# KiCad board Type 1 Termination Board DCS v2.kicad_pcb
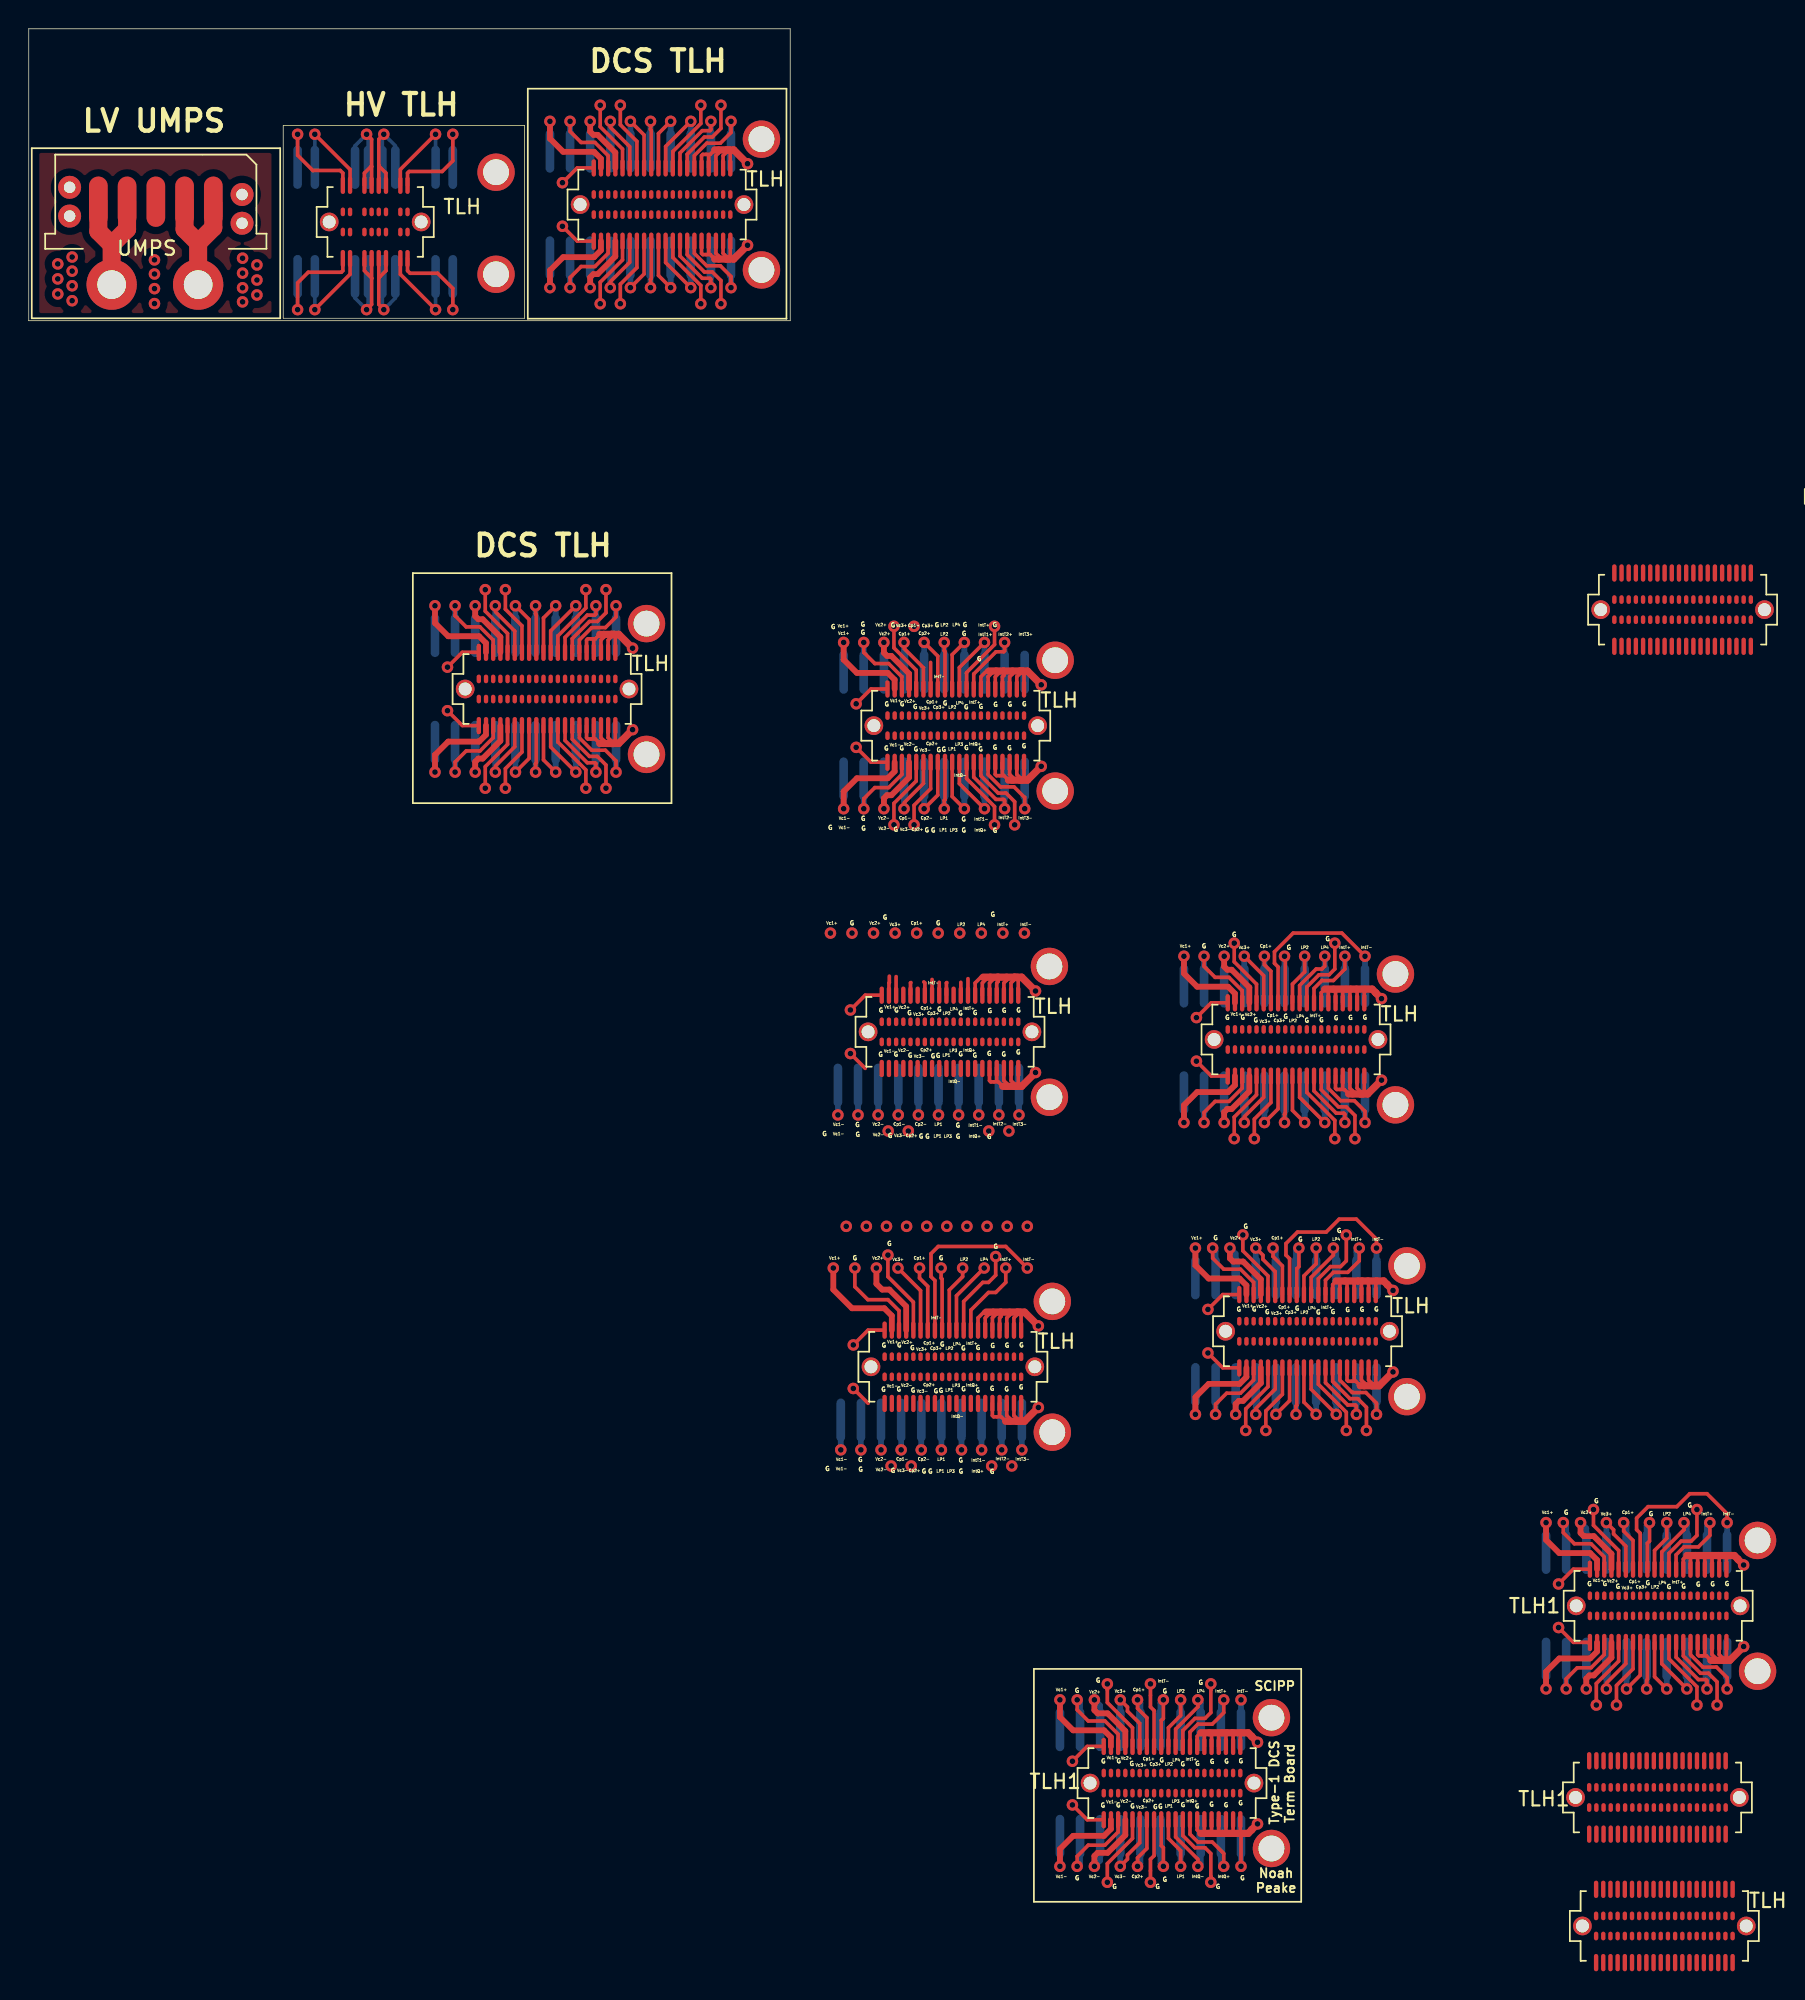
[diagram p0: board, top side]
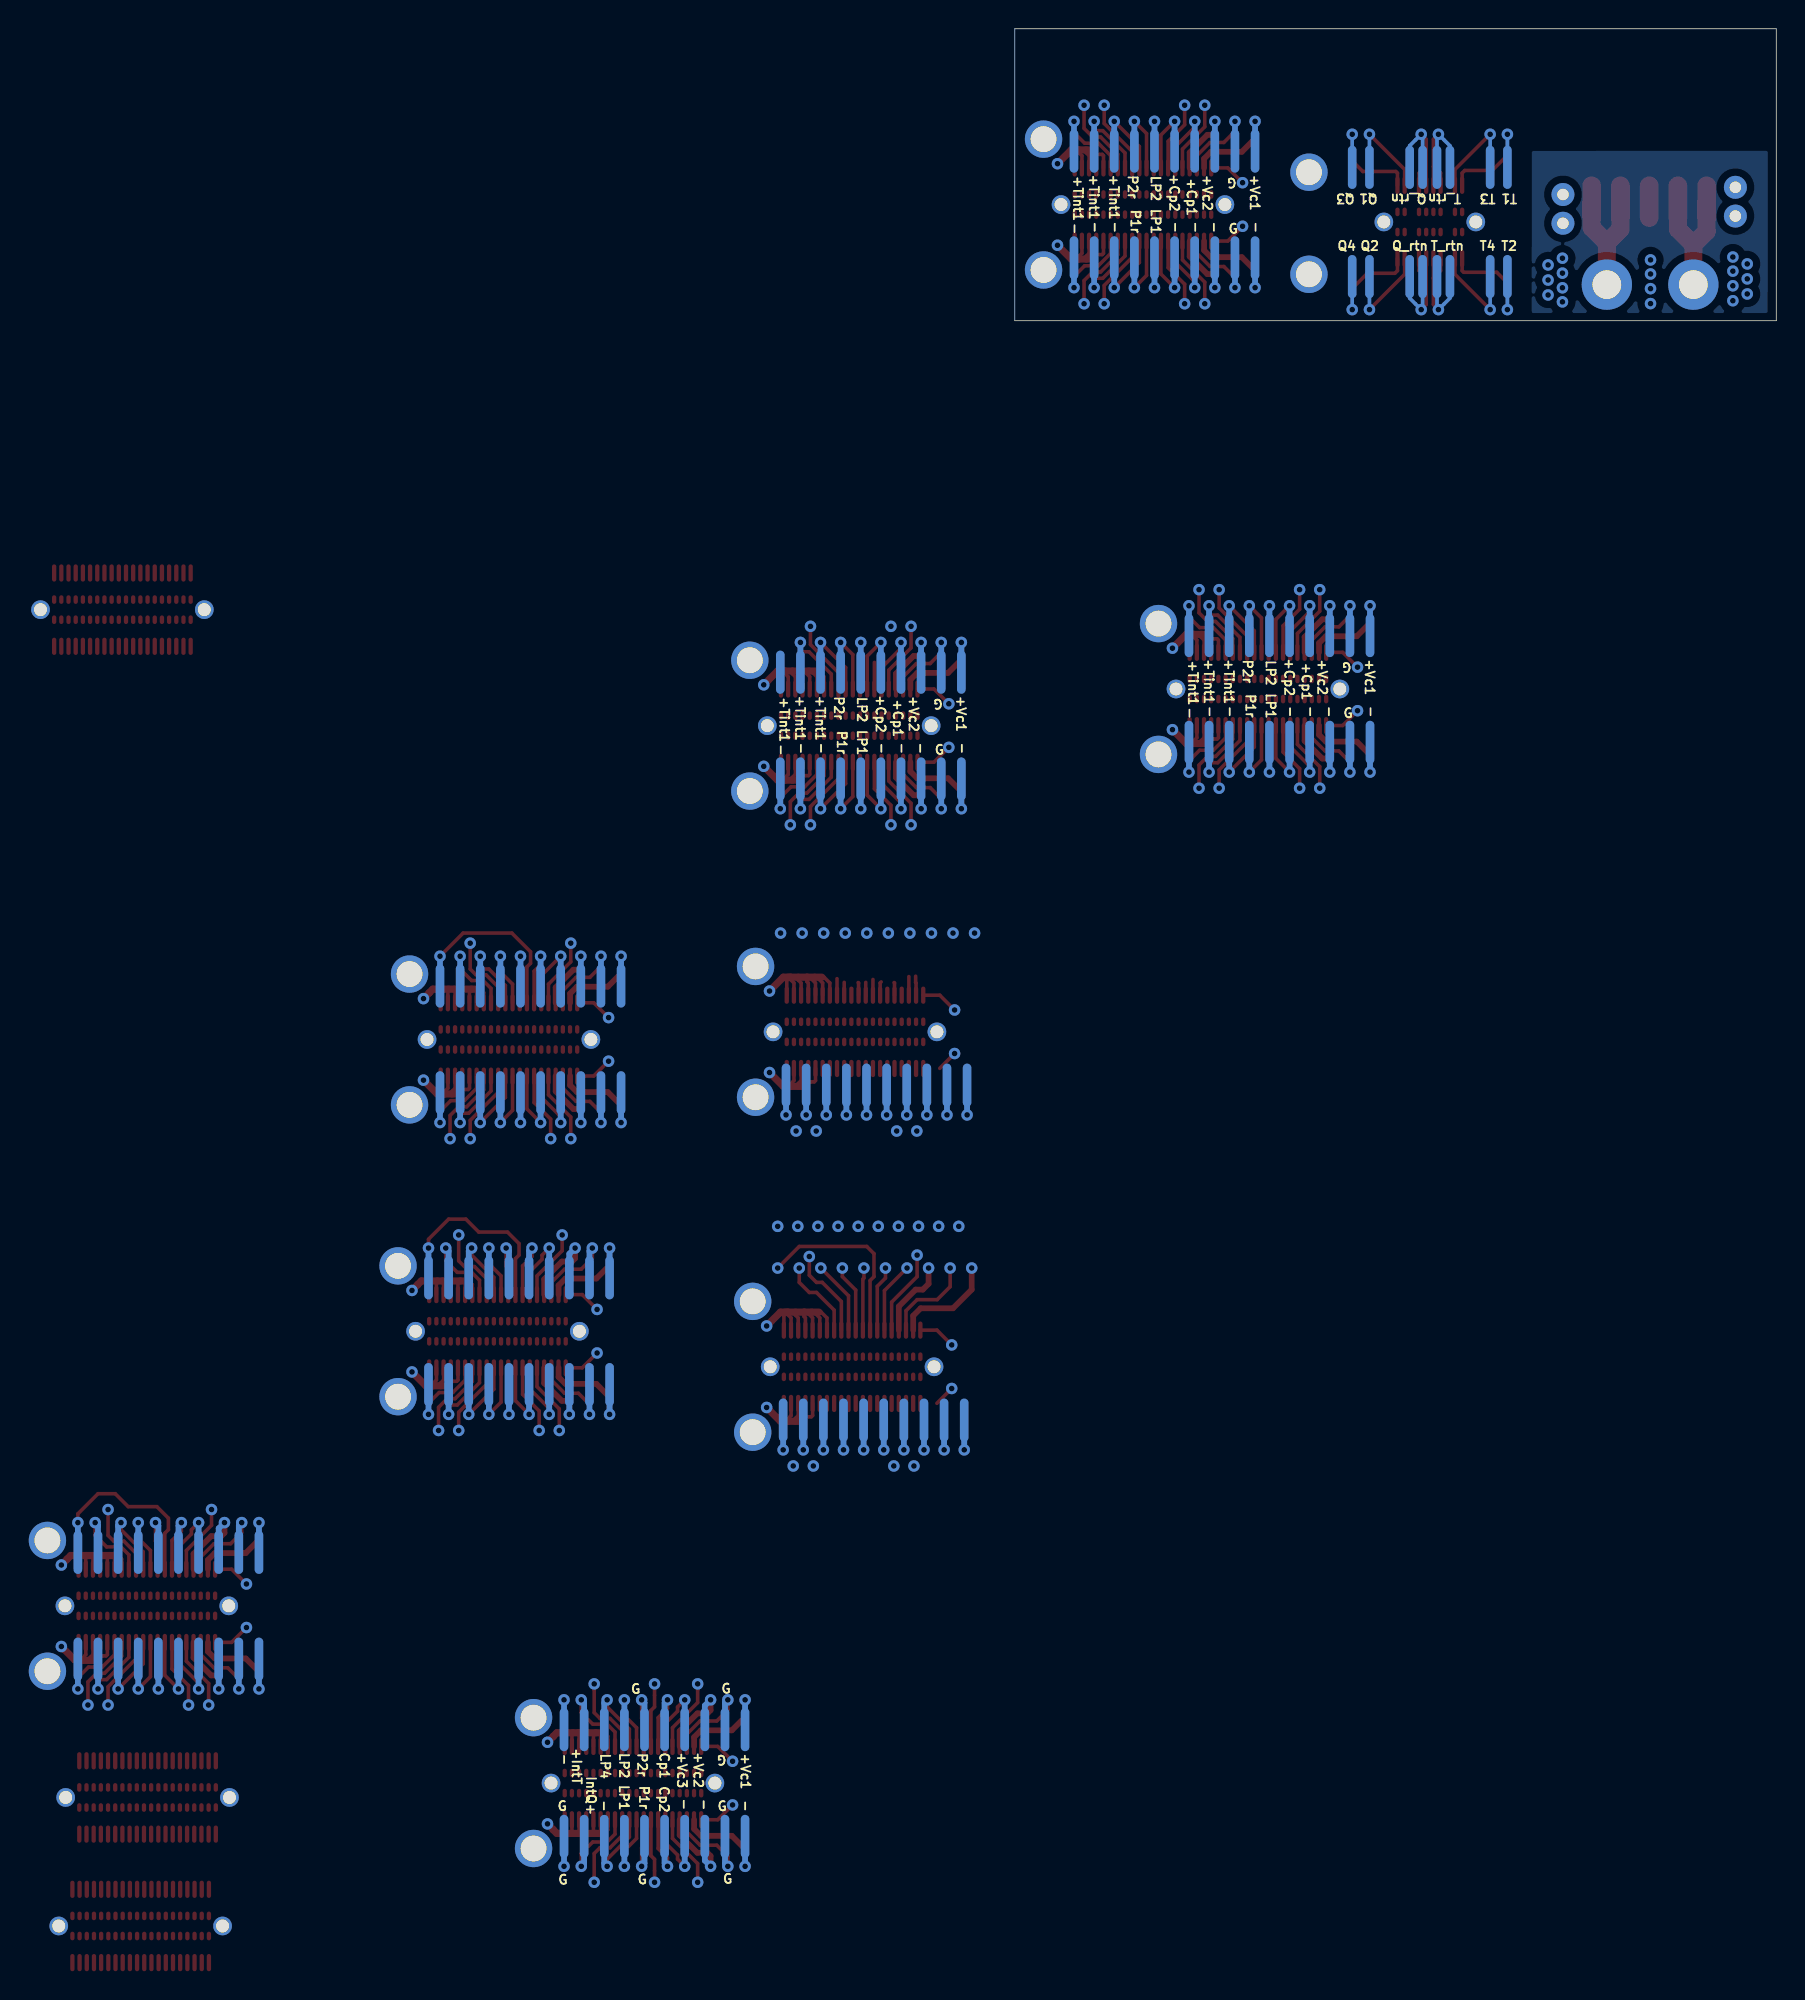
[diagram p1: board, bottom side, seen from below]

Outline 52.99 x 20.31 mm; copper layers: Top, In1.Cu, In2.Cu, Bottom. Coordinates in mm from the lower left corner of the outline.
Outline path: 0,0 0,20.31 52.99,20.31 52.99,0 0,0

## Placement (name value [footprint] x y rotation side)
J2  Conn_01x01_Female  [14AWG_THT]  5.75 -2.6 0 top
J3  Conn_01x01_Female  [14AWG_THT#2]  5.77 2.51 0 top
J10  UMPS  [UMPS 5 Pin]  8.83 8.28 180 top
J11  TLH  [19-1_TLH_HV]  24.11 6.87 0 top
J12  TLH  [TLH 20 Pin]  44.07 8.08 0 top
J12#2  TLH  [TLH 20 Pin]  36.07 -25.62 0 top
J12#3  TLH  [TLH 20 Pin]  64.51 -28.17 0 top
J12#4  TLH  [TLH 20 Pin]  64.11 -49.47 0 top
J12#5  TLH  [TLH 20 Pin]  64.31 -72.77 0 top
J12#6  TLH  [TLH 20 Pin]  88.19 -50 0 top
J12#7  TLH  [TLH 20 Pin]  88.99 -70.3 0 top
J12#8  TLH  [TLH 20 Pin]  113.82 -111.67 0 top
J20  -  [PEEK_screw]  32.52 10.33 90 top
J21  -  [PEEK_screw]  32.52 3.23 90 top
J22  PEEK_screw  [PEEK_screw#3]  50.99 12.63 90 top
J22#2  PEEK_screw  [PEEK_screw#3]  42.99 -21.07 90 top
J22#3  PEEK_screw  [PEEK_screw#3]  71.43 -23.62 90 top
J22#4  PEEK_screw  [PEEK_screw#3]  71.03 -44.92 90 top
J22#5  PEEK_screw  [PEEK_screw#3]  71.23 -68.22 90 top
J22#6  PEEK_screw  [PEEK_screw#3]  95.11 -45.45 90 top
J22#7  PEEK_screw  [PEEK_screw#3]  95.91 -65.75 90 top
J22#8  PEEK_screw  [PEEK_screw#3]  120.31 -84.85 90 top
J22#9  PEEK_screw  [PEEK_screw#3]  86.48 -97.18 90 top
J23  PEEK_screw  [PEEK_screw#2]  50.99 3.53 90 top
J23#2  PEEK_screw  [PEEK_screw#2]  42.99 -30.17 90 top
J23#3  PEEK_screw  [PEEK_screw#2]  71.43 -32.72 90 top
J23#4  PEEK_screw  [PEEK_screw#2]  71.03 -54.02 90 top
J23#5  PEEK_screw  [PEEK_screw#2]  71.23 -77.32 90 top
J23#6  PEEK_screw  [PEEK_screw#2]  95.11 -54.55 90 top
J23#7  PEEK_screw  [PEEK_screw#2]  95.91 -74.85 90 top
J23#8  PEEK_screw  [PEEK_screw#2]  120.31 -93.95 90 top
J23#9  PEEK_screw  [PEEK_screw#2]  86.48 -106.28 90 top
P1  Pad_Array_2  [Pad_Array_2#3]  41.67 4.37 0 bottom
P1#2  Pad_Array_2  [Pad_Array_2#3]  33.67 -29.33 0 bottom
P1#3  Pad_Array_2  [Pad_Array_2#3]  62.11 -31.88 0 bottom
P1#4  Pad_Array_2  [Pad_Array_2#3]  61.71 -53.18 0 bottom
P1#5  Pad_Array_2  [Pad_Array_2#3]  61.91 -76.48 0 bottom
P1#6  Pad_Array_2  [Pad_Array_2#3]  85.79 -53.71 0 bottom
P1#7  Pad_Array_2  [Pad_Array_2#3]  86.59 -74.01 0 bottom
P1#8  Pad_Array_2  [Pad_Array_2#3]  110.99 -93.11 0 bottom
P1#9  Pad_Array_2  [Pad_Array_2#3]  77.16 -105.44 0 bottom
P2  Pad_Array_2  [Pad_Array_2#4]  41.67 11.8 0 bottom
P2#2  Pad_Array_2  [Pad_Array_2#4]  33.67 -21.9 0 bottom
P2#3  Pad_Array_2  [Pad_Array_2#4]  62.11 -24.45 0 bottom
P2#4  Pad_Array_2  [Pad_Array_2#4]  85.79 -46.28 0 bottom
P2#5  Pad_Array_2  [Pad_Array_2#4]  86.59 -66.58 0 bottom
P2#6  Pad_Array_2  [Pad_Array_2#4]  110.99 -85.68 0 bottom
P2#7  Pad_Array_2  [Pad_Array_2#4]  77.16 -98.01 0 bottom
P3  -  [Pad_Array_2]  24.11 3.07 180 bottom
P4  Pad_Array_2  [Pad_Array_2#2]  24.11 10.67 0 bottom
REF**  -  [19-1_TLH_DCS]  115.09 -20.1 0 top
TLH1  Conn_01x40  [TLH 20 Pin]  113.39 -89.4 0 top
TLH1#2  Conn_01x40  [TLH 20 Pin]  113.34 -102.73 0 top
TLH1#3  Conn_02x20_Odd_Even  [TLH 20 Pin]  79.56 -101.73 0 top

## Footprints (pads in the part's own frame, mm; a bottom-side part is the same pattern mirrored in y, then rotated)
14AWG_THT
  round 3.5 hole 2: 1(6.04,5.11)
14AWG_THT#2
  round 3.5 hole 2: 1(0,0)
19-1_TLH_DCS
  oval 0.3x1.2 smd: 1(4.752,2.55) 2(4.252,2.55) 3(3.752,2.55) 4(3.252,2.55) 5(2.752,2.55) 6(2.252,2.55) 7(1.752,2.55) 8(1.252,2.55) 9(0.751,2.55) 10(0.252,2.55) 11(-0.248,2.55) 12(-0.749,2.55) 13(-1.248,2.55) 14(-1.748,2.55) 15(-2.248,2.55) 16(-2.748,2.55) 17(-3.248,2.55) 18(-3.748,2.55) 19(-4.248,2.55) 20(-4.748,2.55) 21(4.752,-2.55) 22(4.252,-2.55) 23(3.752,-2.55) 24(3.252,-2.55) 25(2.752,-2.55) 26(2.252,-2.55) 27(1.752,-2.55) 28(1.252,-2.55) 29(0.751,-2.55) 30(0.252,-2.55) 31(-0.248,-2.55) 32(-0.749,-2.55) 33(-1.248,-2.55) 34(-1.748,-2.55) 35(-2.248,-2.55) 36(-2.748,-2.55) 37(-3.248,-2.55) 38(-3.748,-2.55) 39(-4.248,-2.55) 40(-4.748,-2.55)
  oval 0.3x0.6 smd: 1(4.752,0.7) 2(4.252,0.7) 3(3.752,0.7) 4(3.252,0.7) 5(2.752,0.7) 6(2.252,0.7) 7(1.752,0.7) 8(1.252,0.7) 9(0.751,0.7) 10(0.252,0.7) 11(-0.248,0.7) 12(-0.749,0.7) 13(-1.248,0.7) 14(-1.748,0.7) 15(-2.248,0.7) 16(-2.748,0.7) 17(-3.248,0.7) 18(-3.748,0.7) 19(-4.248,0.7) 20(-4.748,0.7) 21(4.752,-0.7) 22(4.252,-0.7) 23(3.752,-0.7) 24(3.252,-0.7) 25(2.752,-0.7) 26(2.252,-0.7) 27(1.752,-0.7) 28(1.252,-0.7) 29(0.751,-0.7) 30(0.252,-0.7) 31(-0.248,-0.7) 32(-0.749,-0.7) 33(-1.248,-0.7) 34(-1.748,-0.7) 35(-2.248,-0.7) 36(-2.748,-0.7) 37(-3.248,-0.7) 38(-3.748,-0.7) 39(-4.248,-0.7) 40(-4.748,-0.7)
  round 1.3 hole 0.9: 41(-5.699,0) 42(5.702,0)
19-1_TLH_HV
  oval 0.3x1.2 smd: 1(-2.25,2.55) 2(-2.25,-2.55) 3(-1.75,2.55) 4(-1.75,-2.55) 7(-0.75,2.55) 8(-0.75,-2.55) 9(-0.25,2.55) 10(-0.25,-2.55) 11(0.25,2.55) 12(0.25,-2.55) 13(0.75,2.55) 14(0.75,-2.55) 17(1.75,2.55) 18(1.75,-2.55) 19(2.25,2.55) 20(2.25,-2.55)
  oval 0.3x0.6 smd: 1(-2.25,0.7) 2(-2.25,-0.7) 3(-1.75,0.7) 4(-1.75,-0.7) 7(-0.75,0.7) 8(-0.75,-0.7) 9(-0.25,0.7) 10(-0.25,-0.7) 11(0.25,0.7) 12(0.25,-0.7) 13(0.75,0.7) 14(0.75,-0.7) 17(1.75,0.7) 18(1.75,-0.7) 19(2.25,0.7) 20(2.25,-0.7)
  round 1.3 hole 0.9: 21(-3.2,0) 22(3.2,0)
Pad_Array_2
  oval 0.6x3 smd: 2(5.4,0) 4(4.2,0) 8(1.4,0) 10(0.5,0) 12(-0.5,0) 14(-1.4,0) 18(-4.2,0) 20(-5.4,0)
Pad_Array_2#2
  oval 0.6x3 smd: 1(-5.4,0) 3(-4.2,0) 7(-1.4,0) 9(-0.5,0) 11(0.5,0) 13(1.4,0) 17(4.2,0) 19(5.4,0)
Pad_Array_2#3
  oval 0.6x3 smd: 4(-5.4,0) 6(-4,0) 8(-2.6,0) 12(-1.2,0) 16(0.2,0) 18(1.6,0) 20(3,0) 22(4.4,0) 26(5.8,0) 30(7.2,0)
Pad_Array_2#4
  oval 0.6x3 smd: 3(-5.4,0) 5(-4,0) 7(-2.6,0) 11(-1.2,0) 15(0.2,0) 17(1.6,0) 19(3,0) 21(4.4,0) 25(5.8,0) 29(7.2,0)
PEEK_screw
  round 2.6 hole 1.8: 1(0,0)
PEEK_screw#2
  round 2.6 hole 1.8: 44(0,0)
PEEK_screw#3
  round 2.6 hole 1.8: 43(0,0)
TLH 20 Pin
  oval 0.3x1.2 smd: 1(-4.748,2.55) 2(-4.748,-2.55) 3(-4.248,2.55) 4(-4.248,-2.55) 5(-3.748,2.55) 6(-3.748,-2.55) 7(-3.248,2.55) 8(-3.248,-2.55) 9(-2.748,2.55) 10(-2.748,-2.55) 11(-2.248,2.55) 12(-2.248,-2.55) 13(-1.748,2.55) 14(-1.748,-2.55) 15(-1.248,2.55) 16(-1.248,-2.55) 17(-0.749,2.55) 18(-0.749,-2.55) 19(-0.248,2.55) 20(-0.248,-2.55) 21(0.252,2.55) 22(0.252,-2.55) 23(0.751,2.55) 24(0.751,-2.55) 25(1.252,2.55) 26(1.252,-2.55) 27(1.752,2.55) 28(1.752,-2.55) 29(2.252,2.55) 30(2.252,-2.55) 31(2.752,2.55) 32(2.752,-2.55) 33(3.252,2.55) 34(3.252,-2.55) 35(3.752,2.55) 36(3.752,-2.55) 37(4.252,2.55) 38(4.252,-2.55) 39(4.752,2.55) 40(4.752,-2.55)
  oval 0.3x0.6 smd: 1(-4.748,0.7) 2(-4.748,-0.7) 3(-4.248,0.7) 4(-4.248,-0.7) 5(-3.748,0.7) 6(-3.748,-0.7) 7(-3.248,0.7) 8(-3.248,-0.7) 9(-2.748,0.7) 10(-2.748,-0.7) 11(-2.248,0.7) 12(-2.248,-0.7) 13(-1.748,0.7) 14(-1.748,-0.7) 15(-1.248,0.7) 16(-1.248,-0.7) 17(-0.749,0.7) 18(-0.749,-0.7) 19(-0.248,0.7) 20(-0.248,-0.7) 21(0.252,0.7) 22(0.252,-0.7) 23(0.751,0.7) 24(0.751,-0.7) 25(1.252,0.7) 26(1.252,-0.7) 27(1.752,0.7) 28(1.752,-0.7) 29(2.252,0.7) 30(2.252,-0.7) 31(2.752,0.7) 32(2.752,-0.7) 33(3.252,0.7) 34(3.252,-0.7) 35(3.752,0.7) 36(3.752,-0.7) 37(4.252,0.7) 38(4.252,-0.7) 39(4.752,0.7) 40(4.752,-0.7)
  round 1.3 hole 0.9: 41(-5.699,0) 42(5.702,0)
UMPS 5 Pin
  oval 1.3x3.5 smd: 1(-4.014,0.001) 2(-2.014,0.001) 3(-0.014,0.001) 4(1.986,0.001) 5(3.986,0.001)
  round 1.6 hole 0.8: 6(-6.014,1.501) 7(-6.014,-0.499) 8(5.986,1.001) 9(5.986,-0.999)

## Nets
Gnd: J12#8.1 J12#8.2 J12#8.9 J12#8.10 J12#8.16 J12#8.23 J12#8.24 J12#8.27 J12#8.28 J12#8.29 J12#8.30 J12#8.31 J12#8.32 J12#8.33 J12#8.34 J12#8.35 J12#8.36 J12#8.37 J12#8.38 J12#8.39 J12#8.40 J12#8.41 J12#8.42 J22#8.43 J22#9.43 J23#8.44 J23#9.44 P1#9.6 P1#9.18 P1#9.30 P2#7.5 P2#7.17 TLH1.1 TLH1.2 TLH1.5 TLH1.6 TLH1.9 TLH1.10 TLH1.16 TLH1.17 TLH1.18 TLH1.23 TLH1.24 TLH1.27 TLH1.28 TLH1.29 TLH1.30 TLH1.31 TLH1.32 TLH1.33 TLH1.34 TLH1.35 TLH1.36 TLH1.37 TLH1.38 TLH1.39 TLH1.40 TLH1#2.1 TLH1#2.2 TLH1#2.5 TLH1#2.6 TLH1#2.9 TLH1#2.10 TLH1#2.16 TLH1#2.17 TLH1#2.18 TLH1#2.23 TLH1#2.24 TLH1#2.27 TLH1#2.28 TLH1#2.29 TLH1#2.30 TLH1#2.31 TLH1#2.32 TLH1#2.33 TLH1#2.34 TLH1#2.35 TLH1#2.36 TLH1#2.37 TLH1#2.38 TLH1#2.39 TLH1#2.40 TLH1#3.1 TLH1#3.2 TLH1#3.5 TLH1#3.6 TLH1#3.9 TLH1#3.10 TLH1#3.16 TLH1#3.17 TLH1#3.18 TLH1#3.23 TLH1#3.24 TLH1#3.27 TLH1#3.28 TLH1#3.29 TLH1#3.30 TLH1#3.31 TLH1#3.32 TLH1#3.33 TLH1#3.34 TLH1#3.35 TLH1#3.36 TLH1#3.37 TLH1#3.38 TLH1#3.39 TLH1#3.40
Can_pwr1: P2#7.15 TLH1#3.13
Can_pwr2: P1#9.16 TLH1#3.14
Can_pwr3: P2#7.29 TLH1#3.15
Interlock_Q+: P1#9.26 TLH1#3.26
Interlock_T+: P2#7.25 TLH1#3.25
LP_mode1: P1#9.20 TLH1#3.20
LP_mode2: P2#7.19 TLH1#3.19
LP_mode3: P1#9.22 TLH1#3.22
LP_mode4: P2#7.21 TLH1#3.21
Vcan1+: P2#7.3 TLH1#3.3
Vcan1-: P1#9.4 TLH1#3.4
Vcan2+: P2#7.7 TLH1#3.7
Vcan2-: P1#9.8 TLH1#3.8
Vcan3+: P2#7.11 TLH1#3.11
Vcan3-: P1#9.12 TLH1#3.12
Net-(TLH1-Pad3): TLH1.3 TLH1#2.3
Net-(TLH1-Pad4): TLH1.4 TLH1#2.4
Net-(TLH1-Pad7): TLH1.7 TLH1#2.7
Net-(TLH1-Pad8): TLH1.8 TLH1#2.8
Net-(TLH1-Pad11): TLH1.11 TLH1#2.11
Net-(TLH1-Pad12): TLH1.12 TLH1#2.12
Net-(TLH1-Pad13): TLH1.13 TLH1#2.13
Net-(TLH1-Pad14): TLH1.14 TLH1#2.14
Net-(TLH1-Pad15): TLH1.15 TLH1#2.15
Net-(TLH1-Pad19): TLH1.19 TLH1#2.19
Net-(TLH1-Pad20): TLH1.20 TLH1#2.20
Net-(TLH1-Pad21): TLH1.21 TLH1#2.21
Net-(TLH1-Pad22): TLH1.22 TLH1#2.22
Net-(TLH1-Pad25): TLH1.25 TLH1#2.25
Net-(TLH1-Pad26): TLH1.26 TLH1#2.26

Pads without a net: J2 1; J3 1; J10 1 2 3 4 5 6 7 8 9; J11 1 2 3 4 7 8 9 10 11 12 13 14 17 18 19 20 21 22; J12 1 2 3 4 5 6 7 8 9 10 11 12 13 14 15 16 17 18 19 20 21 22 23 24 25 26 27 28 29 30 31 32 33 34 35 36 37 38 39 40 41 42; J12#2 1 2 3 4 5 6 7 8 9 10 11 12 13 14 15 16 17 18 19 20 21 22 23 24 25 26 27 28 29 30 31 32 33 34 35 36 37 38 39 40 41 42; J12#3 1 2 3 4 5 6 7 8 9 10 11 12 13 14 15 16 17 18 19 20 21 22 23 24 25 26 27 28 29 30 31 32 33 34 35 36 37 38 39 40 41 42; J12#4 1 2 3 4 5 6 7 8 9 10 11 12 13 14 15 16 17 18 19 20 21 22 23 24 25 26 27 28 29 30 31 32 33 34 35 36 37 38 39 40 41 42; J12#5 1 2 3 4 5 6 7 8 9 10 11 12 13 14 15 16 17 18 19 20 21 22 23 24 25 26 27 28 29 30 31 32 33 34 35 36 37 38 39 40 41 42; J12#6 1 2 3 4 5 6 7 8 9 10 11 12 13 14 15 16 17 18 19 20 21 22 23 24 25 26 27 28 29 30 31 32 33 34 35 36 37 38 39 40 41 42; J12#7 1 2 3 4 5 6 7 8 9 10 11 12 13 14 15 16 17 18 19 20 21 22 23 24 25 26 27 28 29 30 31 32 33 34 35 36 37 38 39 40 41 42; J12#8 3 4 5 6 7 8 11 12 13 14 15 17 18 19 20 21 22 25 26; J20 1; J21 1; J22 43; J22#2 43; J22#3 43; J22#4 43; J22#5 43; J22#6 43; J22#7 43; J23 44; J23#2 44; J23#3 44; J23#4 44; J23#5 44; J23#6 44; J23#7 44; P1 4 6 8 12 16 18 20 22 26 30; P1#2 4 6 8 12 16 18 20 22 26 30; P1#3 4 6 8 12 16 18 20 22 26 30; P1#4 4 6 8 12 16 18 20 22 26 30; P1#5 4 6 8 12 16 18 20 22 26 30; P1#6 4 6 8 12 16 18 20 22 26 30; P1#7 4 6 8 12 16 18 20 22 26 30; P1#8 4 6 8 12 16 18 20 22 26 30; P2 3 5 7 11 15 17 19 21 25 29; P2#2 3 5 7 11 15 17 19 21 25 29; P2#3 3 5 7 11 15 17 19 21 25 29; P2#4 3 5 7 11 15 17 19 21 25 29; P2#5 3 5 7 11 15 17 19 21 25 29; P2#6 3 5 7 11 15 17 19 21 25 29; P3 2 4 8 10 12 14 18 20; P4 1 3 7 9 11 13 17 19; REF** 1 2 3 4 5 6 7 8 9 10 11 12 13 14 15 16 17 18 19 20 21 22 23 24 25 26 27 28 29 30 31 32 33 34 35 36 37 38 39 40 41 42; TLH1 41 42; TLH1#2 41 42; TLH1#3 41 42

## Via types
v1: diameter 0.8, hole 0.4, Top to Bottom, 312 vias

## Routing (per net, layer and track width the routed paths; a pad name or vN(x,y) marks a point on that pad's centre or on a via; arc(x,y) is an arc through that point)
Gnd: length 174.8
  Top w0.25: TLH1.9 110.64,-85.55 108.89,-83.8 v1(108.89,-82.7) ; 115.14,-91.94 115.14,-92.89 116.34,-94.09 116.89,-94.09 117.49,-94.69 v1(117.49,-96.3) ; 115.39,-85.9 115.14,-86.15 TLH1.27 ; TLH1.37 117.64,-85.95 117.59,-85.9 ; TLH1.29 115.64,-86 115.74,-85.9 116.04,-85.9 116.14,-86 TLH1.31 ; 117.64,-91.94 117.64,-92.79 117.87,-93.02 117.87,-93.19 ; 116.89,-85.9 116.74,-85.9 116.64,-86 TLH1.33 ; 116.14,-91.94 116.14,-92.79 116.23,-92.88 116.75,-92.88 117.06,-93.19 ; v1(106.99,-95.18) 106.99,-94.48 107.76,-93.71 108.72,-93.71 109.64,-92.79 109.64,-91.94 ; 108.64,-91.94 107.49,-91.94 v1(106.46,-90.91) ; 108.64,-86.85 107.49,-86.85 v1(106.46,-87.88) ; 116.64,-91.94 116.64,-92.79 ; 118.38,-93.19 118.14,-92.95 118.14,-91.94 ; 117.34,-93.19 117.34,-92.99 117.14,-92.79 117.14,-91.94 ; 110.64,-91.94 110.64,-93.25 109.09,-94.8 v1(109.09,-96.3) ; 112.14,-91.94 112.14,-94.23 v1(111.19,-95.18) ; v1(118.19,-95.18) 118.19,-94.4 117.45,-93.66 116.5,-93.66 115.64,-92.8 115.64,-91.94 ; 112.64,-91.94 112.64,-94.55 112.59,-94.6 v1(112.59,-95.18) ; 114.14,-91.94 114.14,-93.08 116.09,-95.03 v1(116.09,-96.3) ; TLH1.5 109.64,-86 108.72,-85.08 107.56,-85.08 106.79,-84.31 v1(106.79,-83.61) ; v1(112.79,-83.61) 112.79,-84.9 112.64,-85.05 TLH1.17 ; TLH1.35 117.14,-86 117.19,-85.95 117.19,-85.9 ; v1(116.09,-82.7) 116.09,-84.5 115.69,-84.9 114.99,-84.9 114.14,-85.75 TLH1.23 ; TLH1.39 118.14,-86 118.19,-85.95 118.19,-85.9 ; 74.81,-99.18 73.66,-99.18 v1(72.63,-100.21) ; TLH1#3.37 83.81,-98.28 83.76,-98.23 ; 81.56,-98.23 81.31,-98.48 TLH1#3.27 ; TLH1#3.33 82.81,-98.33 82.91,-98.23 83.06,-98.23 ; TLH1#3.31 82.31,-98.33 82.21,-98.23 81.91,-98.23 81.81,-98.33 TLH1#3.29 ; TLH1#3.9 76.81,-97.88 75.06,-96.13 75.06,-95.23 ; TLH1#3.5 75.81,-98.33 74.89,-97.41 73.73,-97.41 72.96,-96.64 v1(72.96,-95.94) ; v1(78.96,-95.94) 78.96,-97.23 78.81,-97.38 TLH1#3.17 ; 83.36,-98.23 83.36,-98.28 83.31,-98.33 TLH1#3.35 ; TLH1#3.23 80.31,-98.08 81.16,-97.23 81.86,-97.23 82.26,-96.83 82.26,-95.23 ; TLH1#3.39 84.31,-98.33 84.36,-98.28 84.36,-98.23 ; v1(78.06,-108.63) 78.06,-107.03 78.31,-106.78 TLH1#3.16 ; 82.26,-108.23 v1(82.26,-108.63) ; 82.26,-108.23 82.26,-106.63 81.86,-106.23 81.16,-106.23 80.31,-105.38 TLH1#3.24 ; 82.26,-108.23 82.26,-108.43 ; 83.76,-105.23 83.81,-105.18 TLH1#3.38 ; TLH1#3.10 76.81,-105.58 75.06,-107.33 v1(75.06,-108.63) ; 74.81,-104.28 73.66,-104.28 v1(72.63,-103.25) ; TLH1#3.32 82.31,-105.13 82.21,-105.23 81.91,-105.23 81.81,-105.13 TLH1#3.30 ; TLH1#3.34 82.81,-105.13 82.91,-105.23 83.06,-105.23 ; 81.56,-105.23 81.31,-104.98 TLH1#3.28 ; TLH1#3.36 83.31,-105.13 83.36,-105.18 83.36,-105.23 ; v1(78.96,-107.52) 78.96,-106.23 78.81,-106.08 TLH1#3.18 ; TLH1#3.6 75.81,-105.13 74.89,-106.05 73.73,-106.05 72.96,-106.82 v1(72.96,-107.52) ; TLH1#3.40 84.31,-105.13 84.36,-105.18 v1(84.36,-107.52) ; 75.06,-95.23 v1(75.06,-94.83) ; 75.06,-95.23 75.06,-95.03 ; 82.26,-95.23 v1(82.26,-94.83) ; 82.26,-95.23 82.26,-95.03